# Altium PCB Exter.PcbDoc (part 1 of 2)
Units mm, origin at the board's own origin, x right, y up, seen from the top; angles counter-clockwise.
Board outline 173.35 x 113.03 mm, 2 copper layers (Top Layer, Bottom Layer); 156 components, 130 nets, 506 pads, 251 vias.
Unrouted connection lines stored in the file: 4.
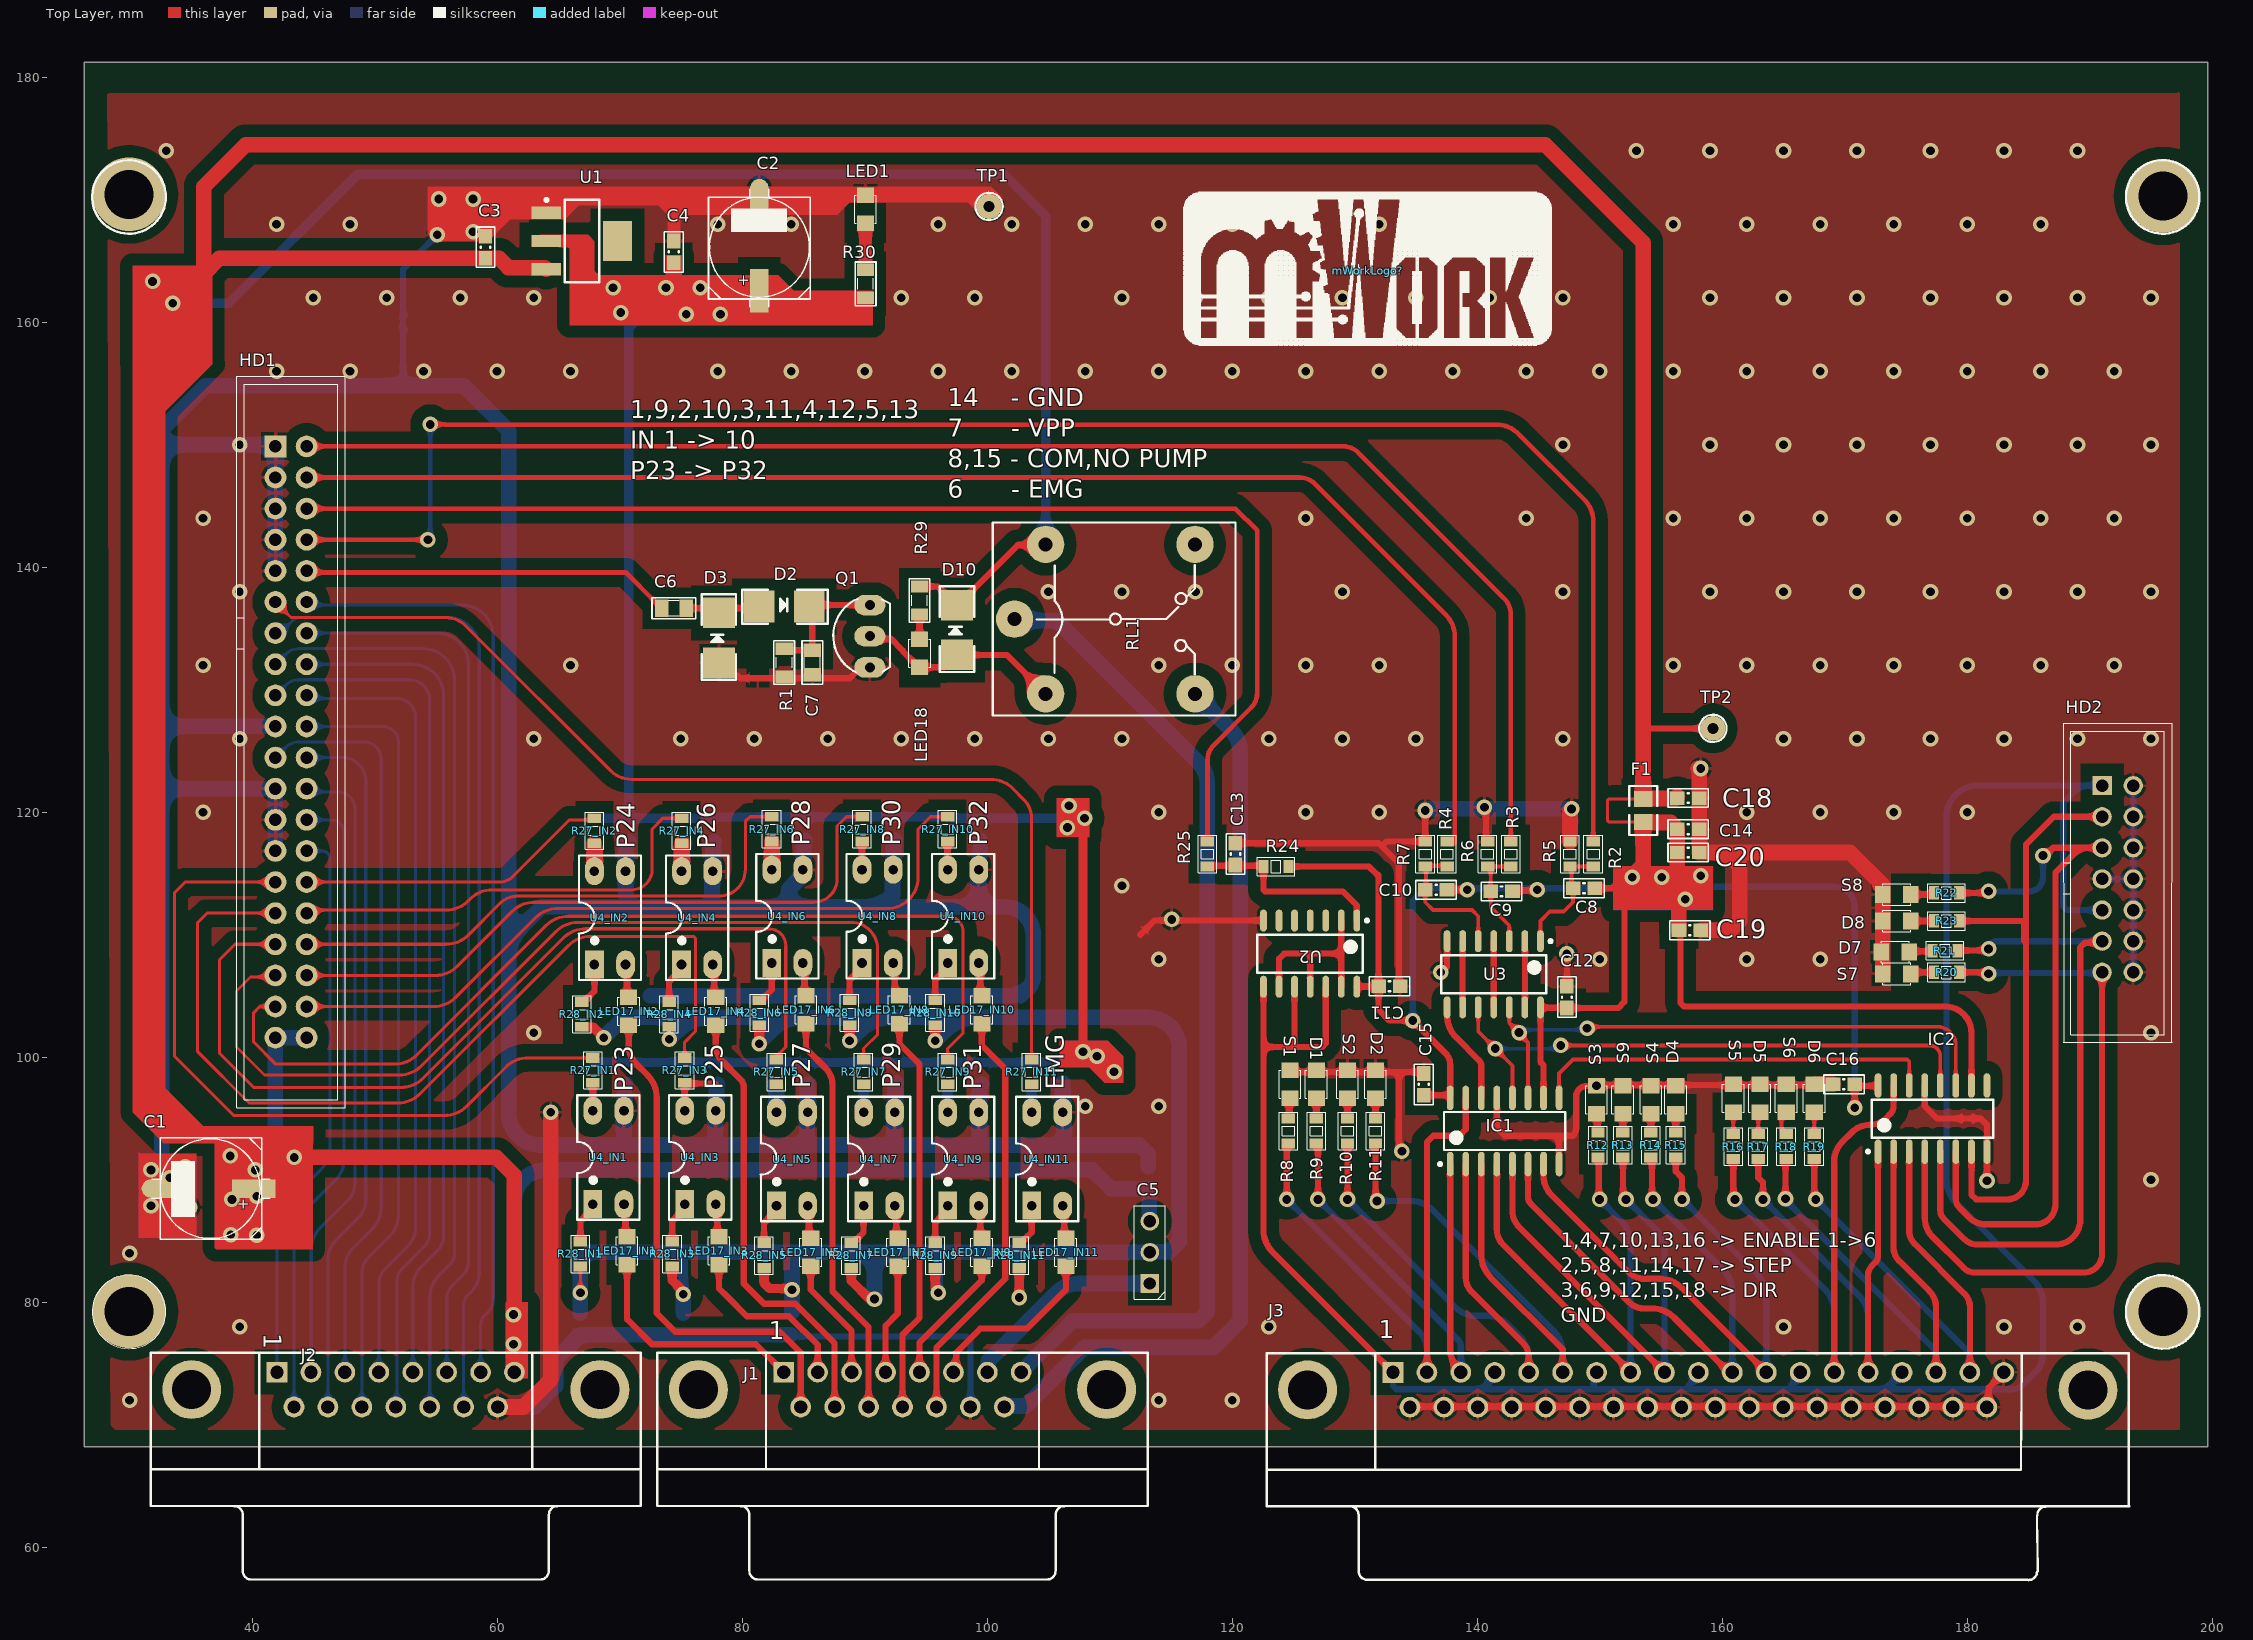
[diagram p0: Top Layer view]
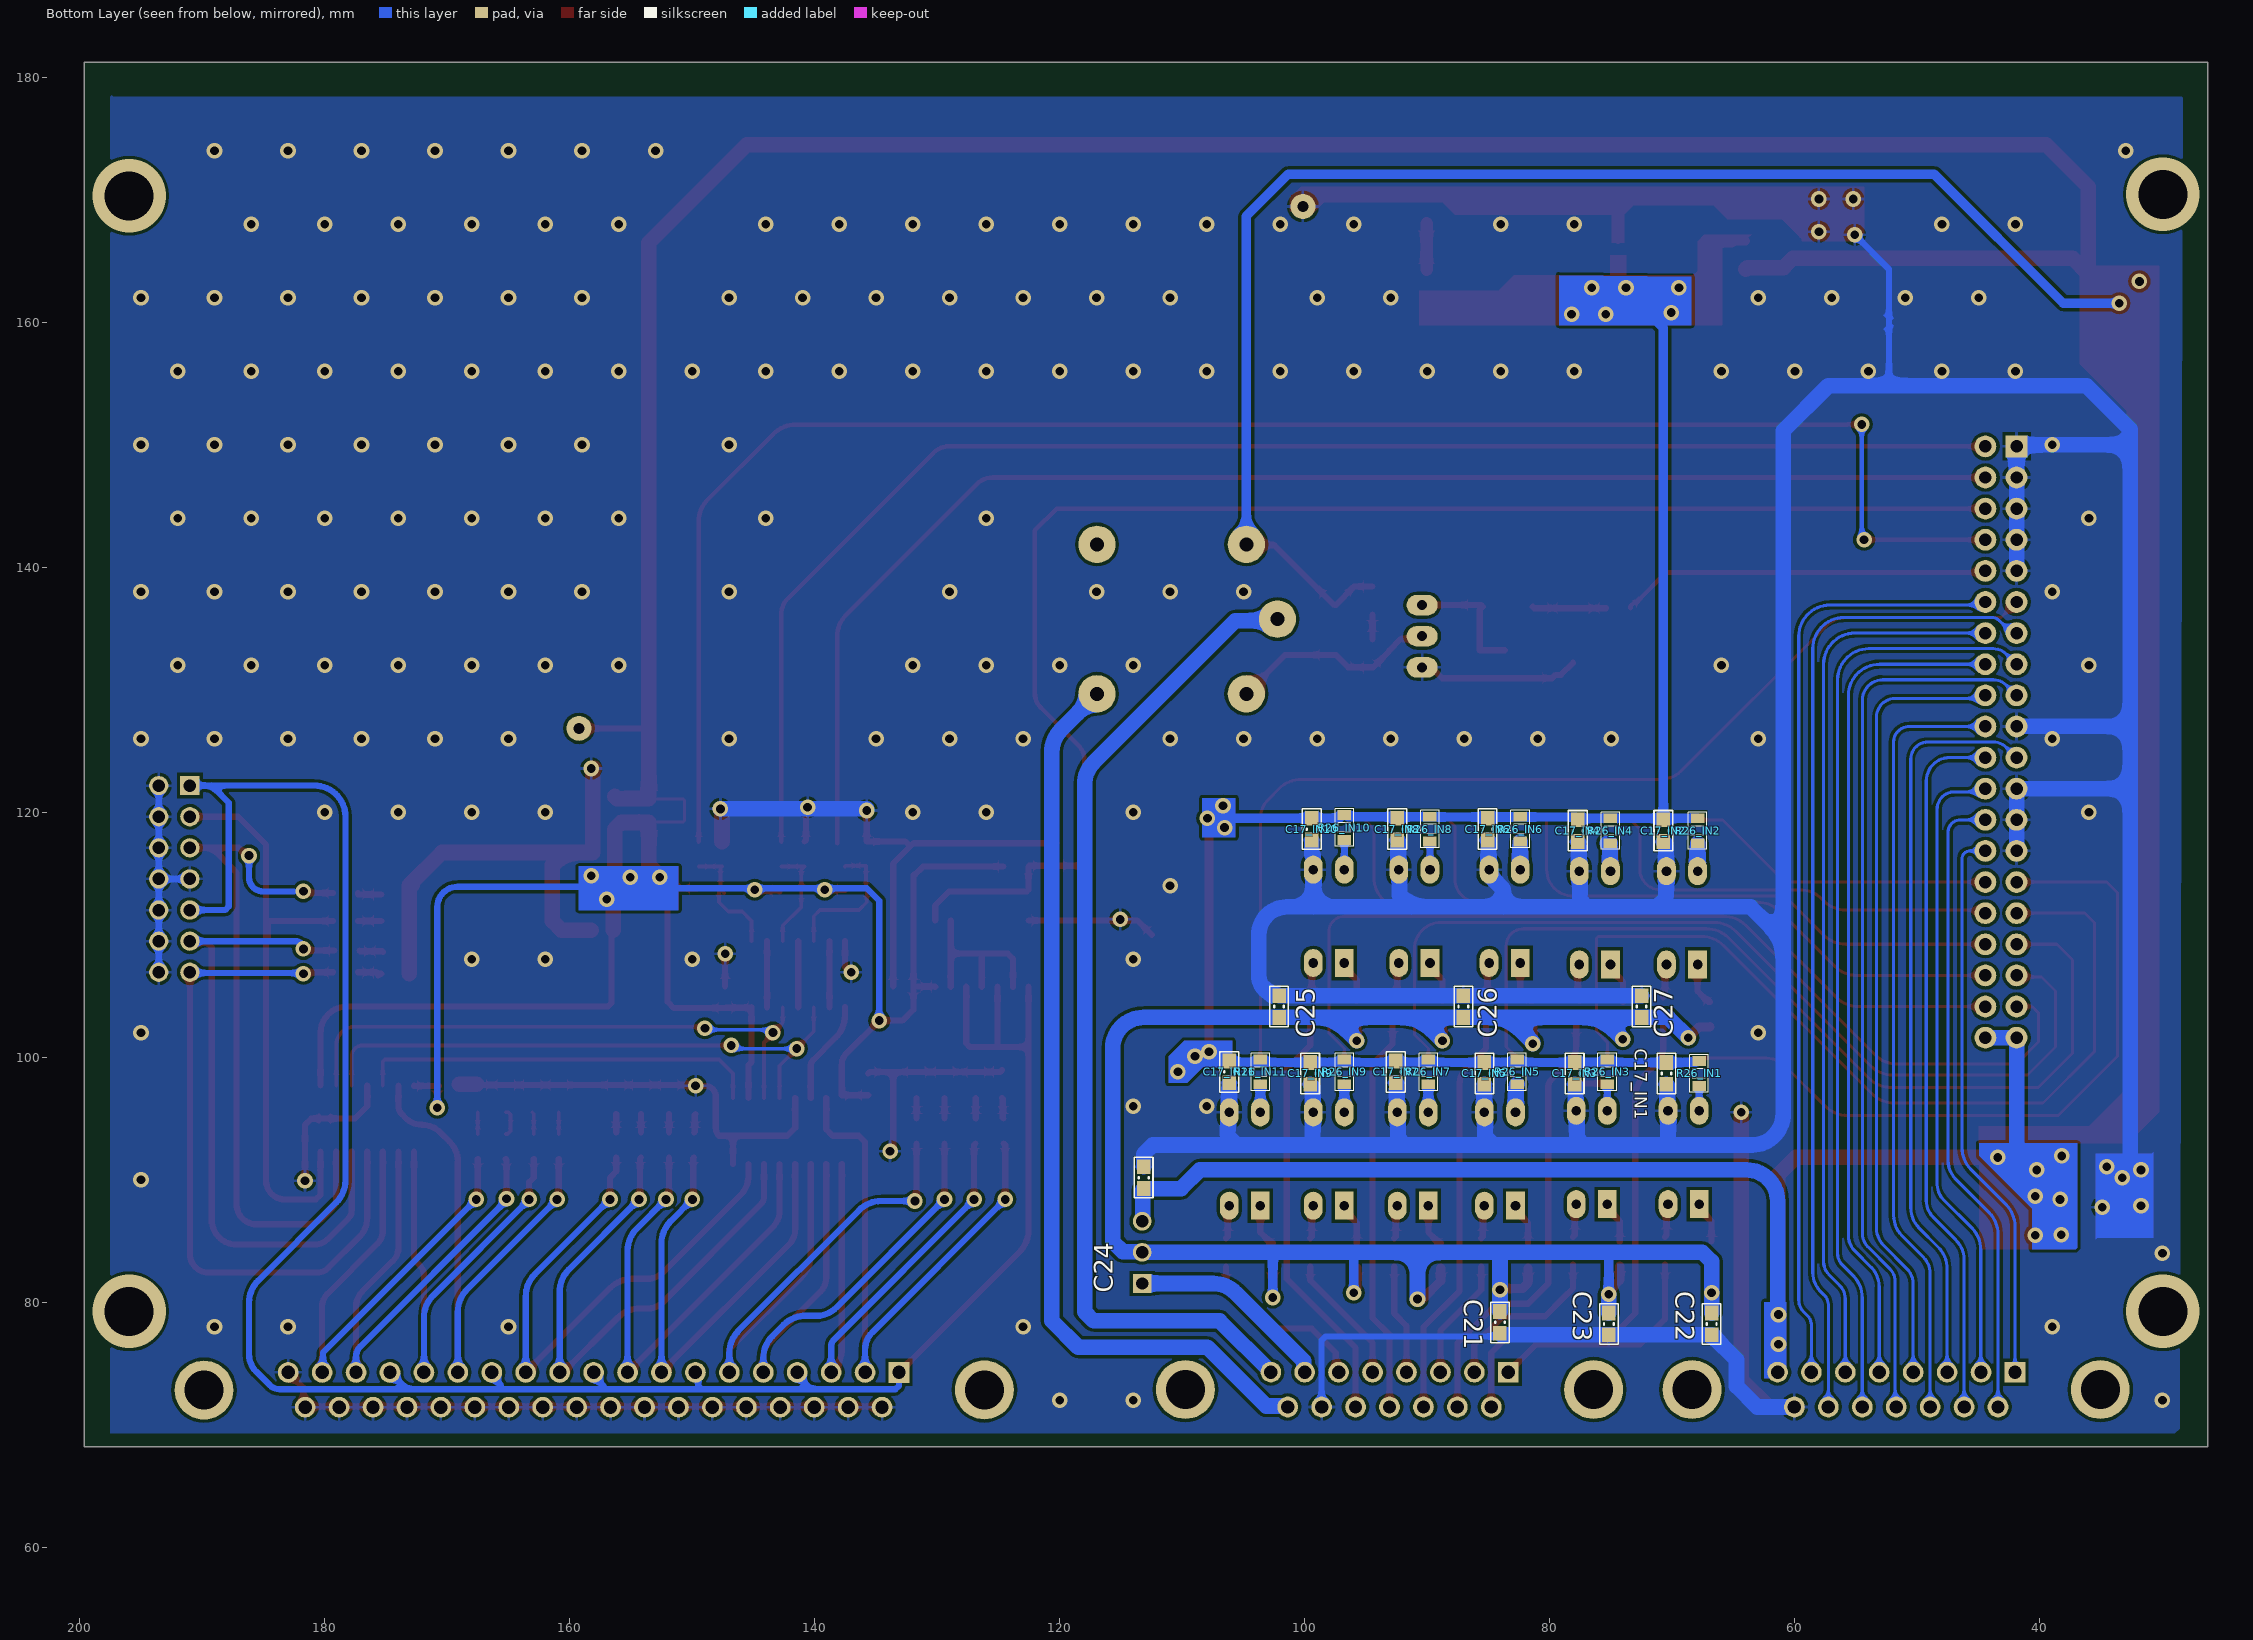
[diagram p1: Bottom Layer view, seen from below]
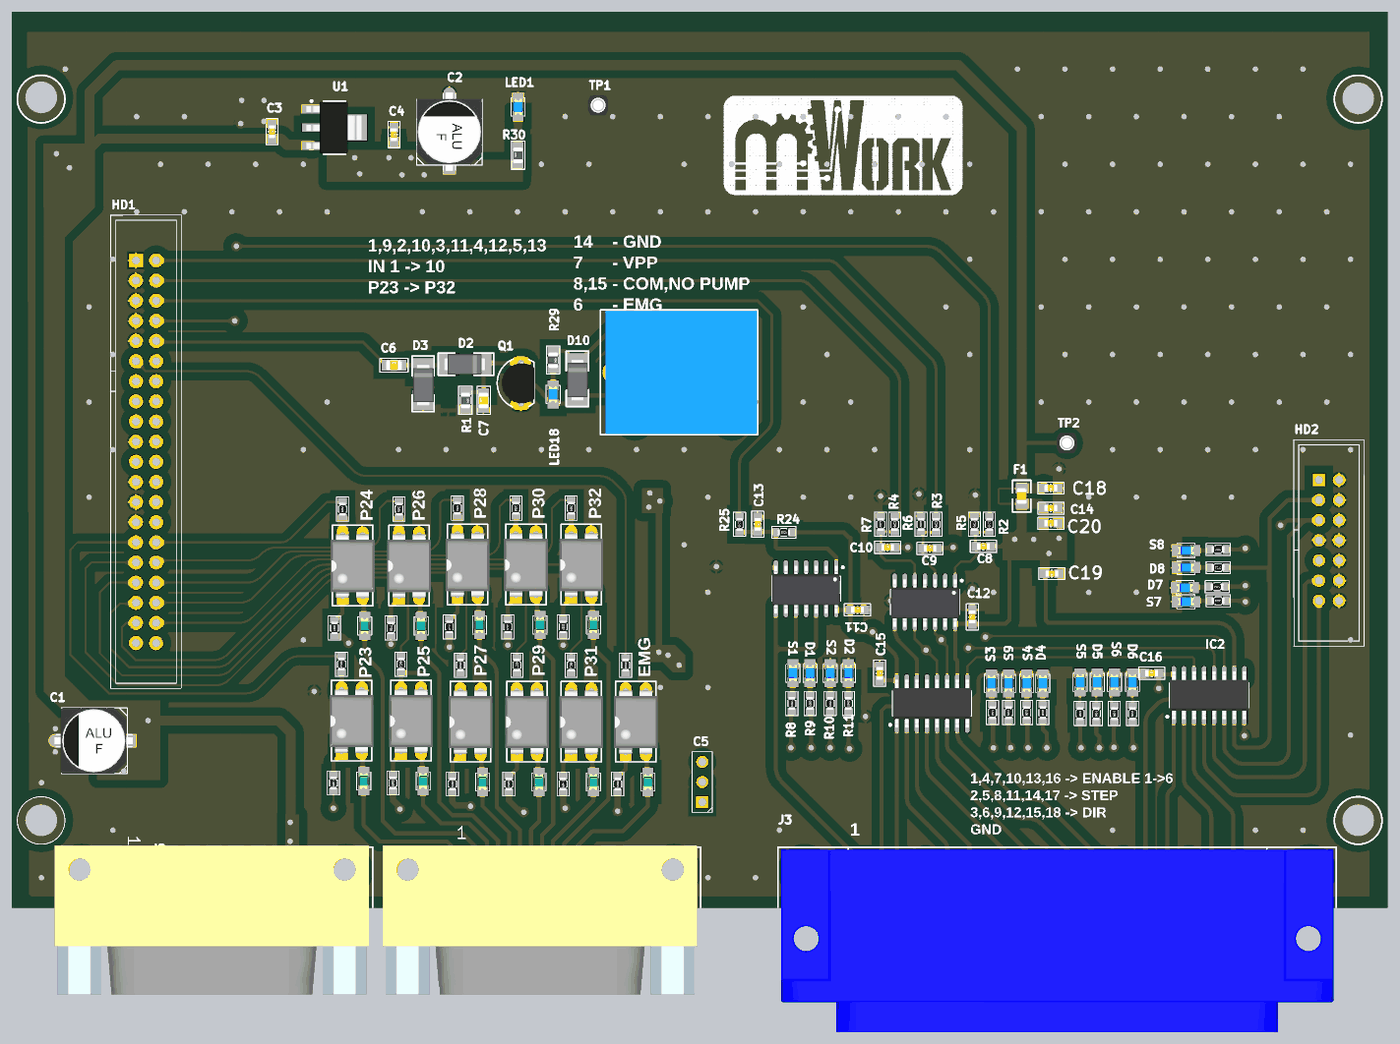
[diagram p3: 3D render of the assembled board from above, using the file's embedded part models]
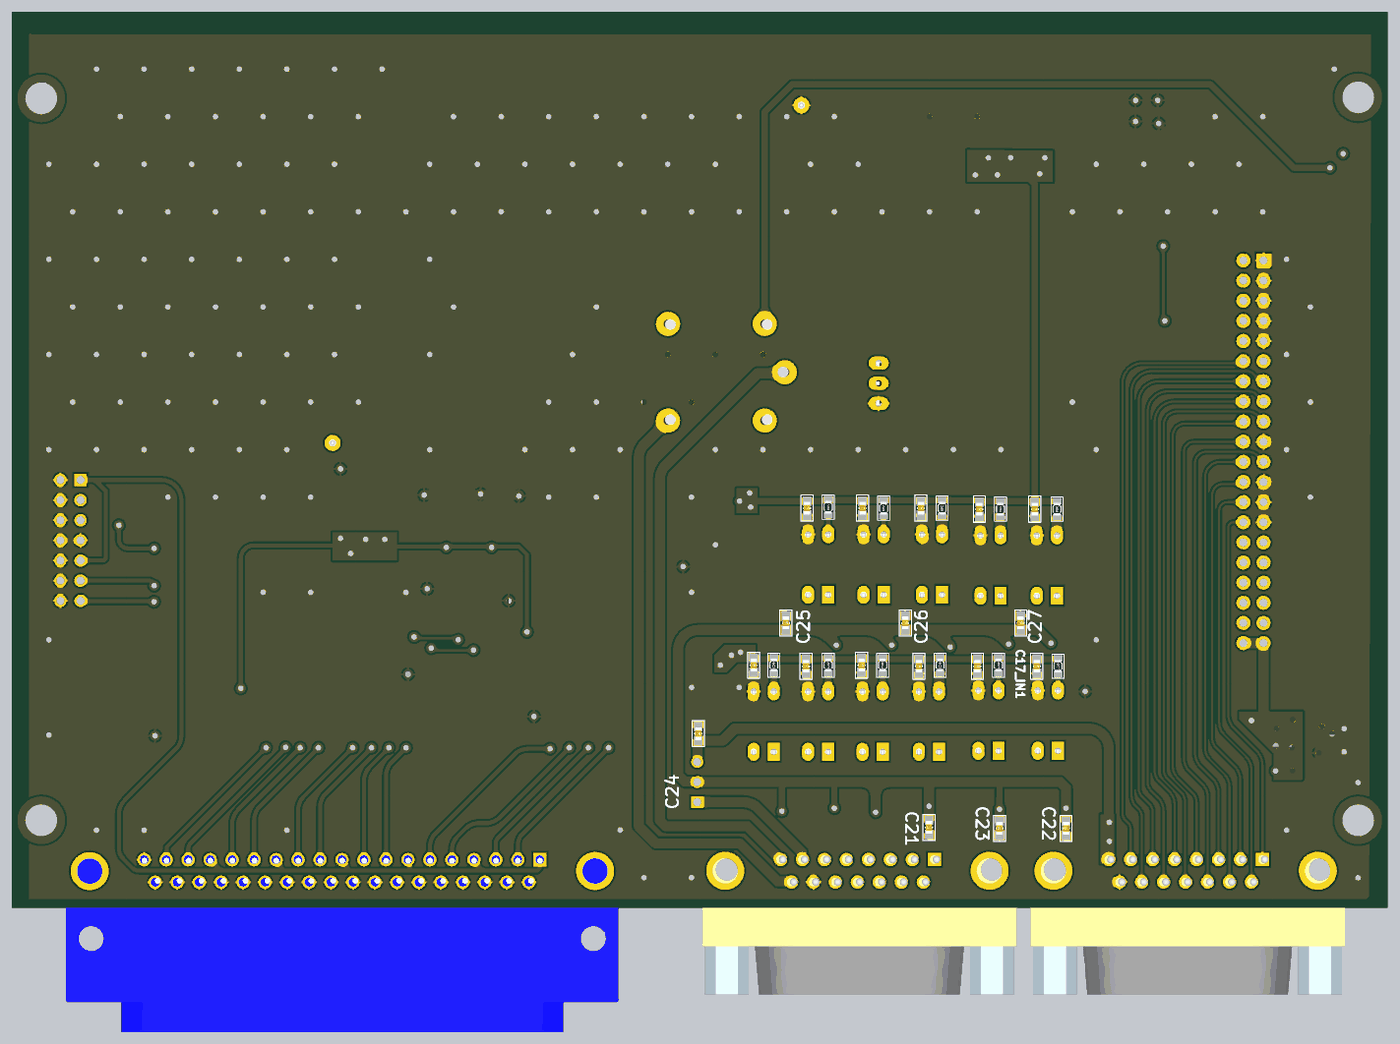
[diagram p4: 3D render of the assembled board from below, using the file's embedded part models]

## Layer stack, top to bottom
Top Solder: solder mask 0.0102, Solder Resist, Dk 3.5
Top Layer: signal copper 0.0356
Dielectric 1: dielectric 0.32, FR-4, Dk 4.8
Bottom Layer: signal copper 0.0356
Bottom Solder: solder mask 0.0102, Solder Resist, Dk 3.5

## Board outline
26.289,68.199 199.644,68.199 199.644,181.229 26.289,181.229

## Design rules (kind name [scope] priority, off if disabled: settings)
Clearance PoBOT [InNamedPolygon('GND_L01_P000')] p1: gap=1.016 ignorepadtopadclearanceinfootprint=FALSE
Clearance [All] p2: gap=0.254 ignorepadtopadclearanceinfootprint=FALSE except(0: Arc-Hole Track-Hole SMDPad-Hole THPad-Hole Via-Hole Fill-Hole Poly-Hole Region-Hole Text-Hole)
PolygonConnect [All] p1: connectstyle=Relief reliefconductorwidth=0.254 reliefentries=4 polygonreliefangle="90 Angle" airgapwidth=0.254
RoomDefinition IN11 [InComponentClass('IN11')] p1: confinementstyle=ConfineIn formatcopy=TRUE lockcomponents=FALSE outline 101.346,99.441 101.346,81.534 107.823,81.534 107.823,99.441
RoomDefinition IN10 [InComponentClass('IN10')] p2: confinementstyle=ConfineIn formatcopy=TRUE lockcomponents=FALSE outline 94.488,119.253 94.488,101.346 100.965,101.346 100.965,119.253
RoomDefinition IN9 [InComponentClass('IN9')] p3: confinementstyle=ConfineIn formatcopy=TRUE lockcomponents=FALSE outline 94.488,99.441 94.488,81.534 100.965,81.534 100.965,99.441
RoomDefinition IN8 [InComponentClass('IN8')] p4: confinementstyle=ConfineIn formatcopy=TRUE lockcomponents=FALSE outline 87.503,119.253 87.503,101.346 93.98,101.346 93.98,119.253
RoomDefinition IN7 [InComponentClass('IN7')] p5: confinementstyle=ConfineIn formatcopy=TRUE lockcomponents=FALSE outline 87.63,99.441 87.63,81.534 94.107,81.534 94.107,99.441
RoomDefinition IN6 [InComponentClass('IN6')] p6: confinementstyle=ConfineIn formatcopy=TRUE lockcomponents=FALSE outline 80.137,119.253 80.137,101.346 86.614,101.346 86.614,119.253
RoomDefinition IN5 [InComponentClass('IN5')] p7: confinementstyle=ConfineIn formatcopy=TRUE lockcomponents=FALSE outline 80.518,99.441 80.518,81.534 86.995,81.534 86.995,99.441
RoomDefinition IN4 [InComponentClass('IN4')] p8: confinementstyle=ConfineIn formatcopy=TRUE lockcomponents=FALSE outline 72.771,119.126 72.771,101.219 79.248,101.219 79.248,119.126
RoomDefinition IN3 [InComponentClass('IN3')] p9: confinementstyle=ConfineIn formatcopy=TRUE lockcomponents=FALSE outline 73.025,99.568 73.025,81.661 79.502,81.661 79.502,99.568
RoomDefinition IN2 [InComponentClass('IN2')] p10: confinementstyle=ConfineIn formatcopy=TRUE lockcomponents=FALSE outline 65.659,119.126 65.659,101.219 72.136,101.219 72.136,119.126
RoomDefinition IN1 [InComponentClass('IN1')] p11: confinementstyle=ConfineIn formatcopy=TRUE lockcomponents=FALSE outline 65.532,99.568 65.532,81.661 72.009,81.661 72.009,99.568
RoomDefinition ProExtBus [InComponentClass('ProExtBus')] p12: confinementstyle=ConfineIn formatcopy=TRUE lockcomponents=FALSE outline 280.67,178.308 731.52,178.308 731.52,315.849 280.67,315.849
RoomDefinition EXTERN [InComponentClass('EXTERN')] p13: confinementstyle=ConfineIn formatcopy=TRUE lockcomponents=FALSE outline 230.251,23.495 681.101,23.495 681.101,161.036 230.251,161.036
RoutingVias [All] p1: holewidth=0.711 width=1.27 viastyle="Through Hole" minholewidth=0.711 minwidth=1.27 maxholewidth=0.711 maxwidth=1.27
SolderMaskExpansion [All] p1: expansion=0.102 istentingtop=FALSE
Width [All] p1: maxlimit=2.032 minlimit=0.254 preferedwidth=0.762
30 further rules are at their usual default settings.

## Classes and differential pairs
component class IN11: C17_IN11 LED17_IN11 R26_IN11 R27_IN11 R28_IN11 U4_IN11
component class IN10: C17_IN10 LED17_IN10 R26_IN10 R27_IN10 R28_IN10 U4_IN10
component class IN9: C17_IN9 LED17_IN9 R26_IN9 R27_IN9 R28_IN9 U4_IN9
component class IN8: C17_IN8 LED17_IN8 R26_IN8 R27_IN8 R28_IN8 U4_IN8
component class IN7: C17_IN7 LED17_IN7 R26_IN7 R27_IN7 R28_IN7 U4_IN7
component class IN6: C17_IN6 LED17_IN6 R26_IN6 R27_IN6 R28_IN6 U4_IN6
component class IN5: C17_IN5 LED17_IN5 R26_IN5 R27_IN5 R28_IN5 U4_IN5
component class IN4: C17_IN4 LED17_IN4 R26_IN4 R27_IN4 R28_IN4 U4_IN4
component class IN3: C17_IN3 LED17_IN3 R26_IN3 R27_IN3 R28_IN3 U4_IN3
component class IN2: C17_IN2 LED17_IN2 R26_IN2 R27_IN2 R28_IN2 U4_IN2
component class IN1: C17_IN1 LED17_IN1 R26_IN1 R27_IN1 R28_IN1 U4_IN1
channel class INPUT: IN1 IN2 IN3 IN4 IN5 IN6 IN7 IN8 IN9 IN10 IN11
component class ProExtBus: C8 C9 C10 C11 C12 C13 C14 C15 C16 C18 C19 C20 D1 D2 D4 D5 D6 D7 D8 F1 HD2 IC1 IC2 J3 LED2 LED3 LED4 LED5 LED6 LED7 LED8 LED9 LED10 LED11 LED12 LED13 LED14 LED15 LED16 R2 R3 R4 R5 R6 R7 R8 R9 R10 R11 R12 R13 R14 R15 R16 R17 R18 R19 R20 R21 R22 R23 R24 R25 S1 S2 S3 S4 S5 S6 S7 S8 S9 U2 U3
component class EXTERN: C1 C2 C3 C4 C5 C6 C7 C21 C22 C23 C24 C25 C26 C27 D2 D3 D10 HD1 J1 J2 LED1 LED2 LED4 LED6 LED18 mWorkLogo? Q1 R1 R29 R30 RL1 TP1 TP2 U1
